# KiCad board DIP8breakout+potToUSB.kicad_pcb (continued)
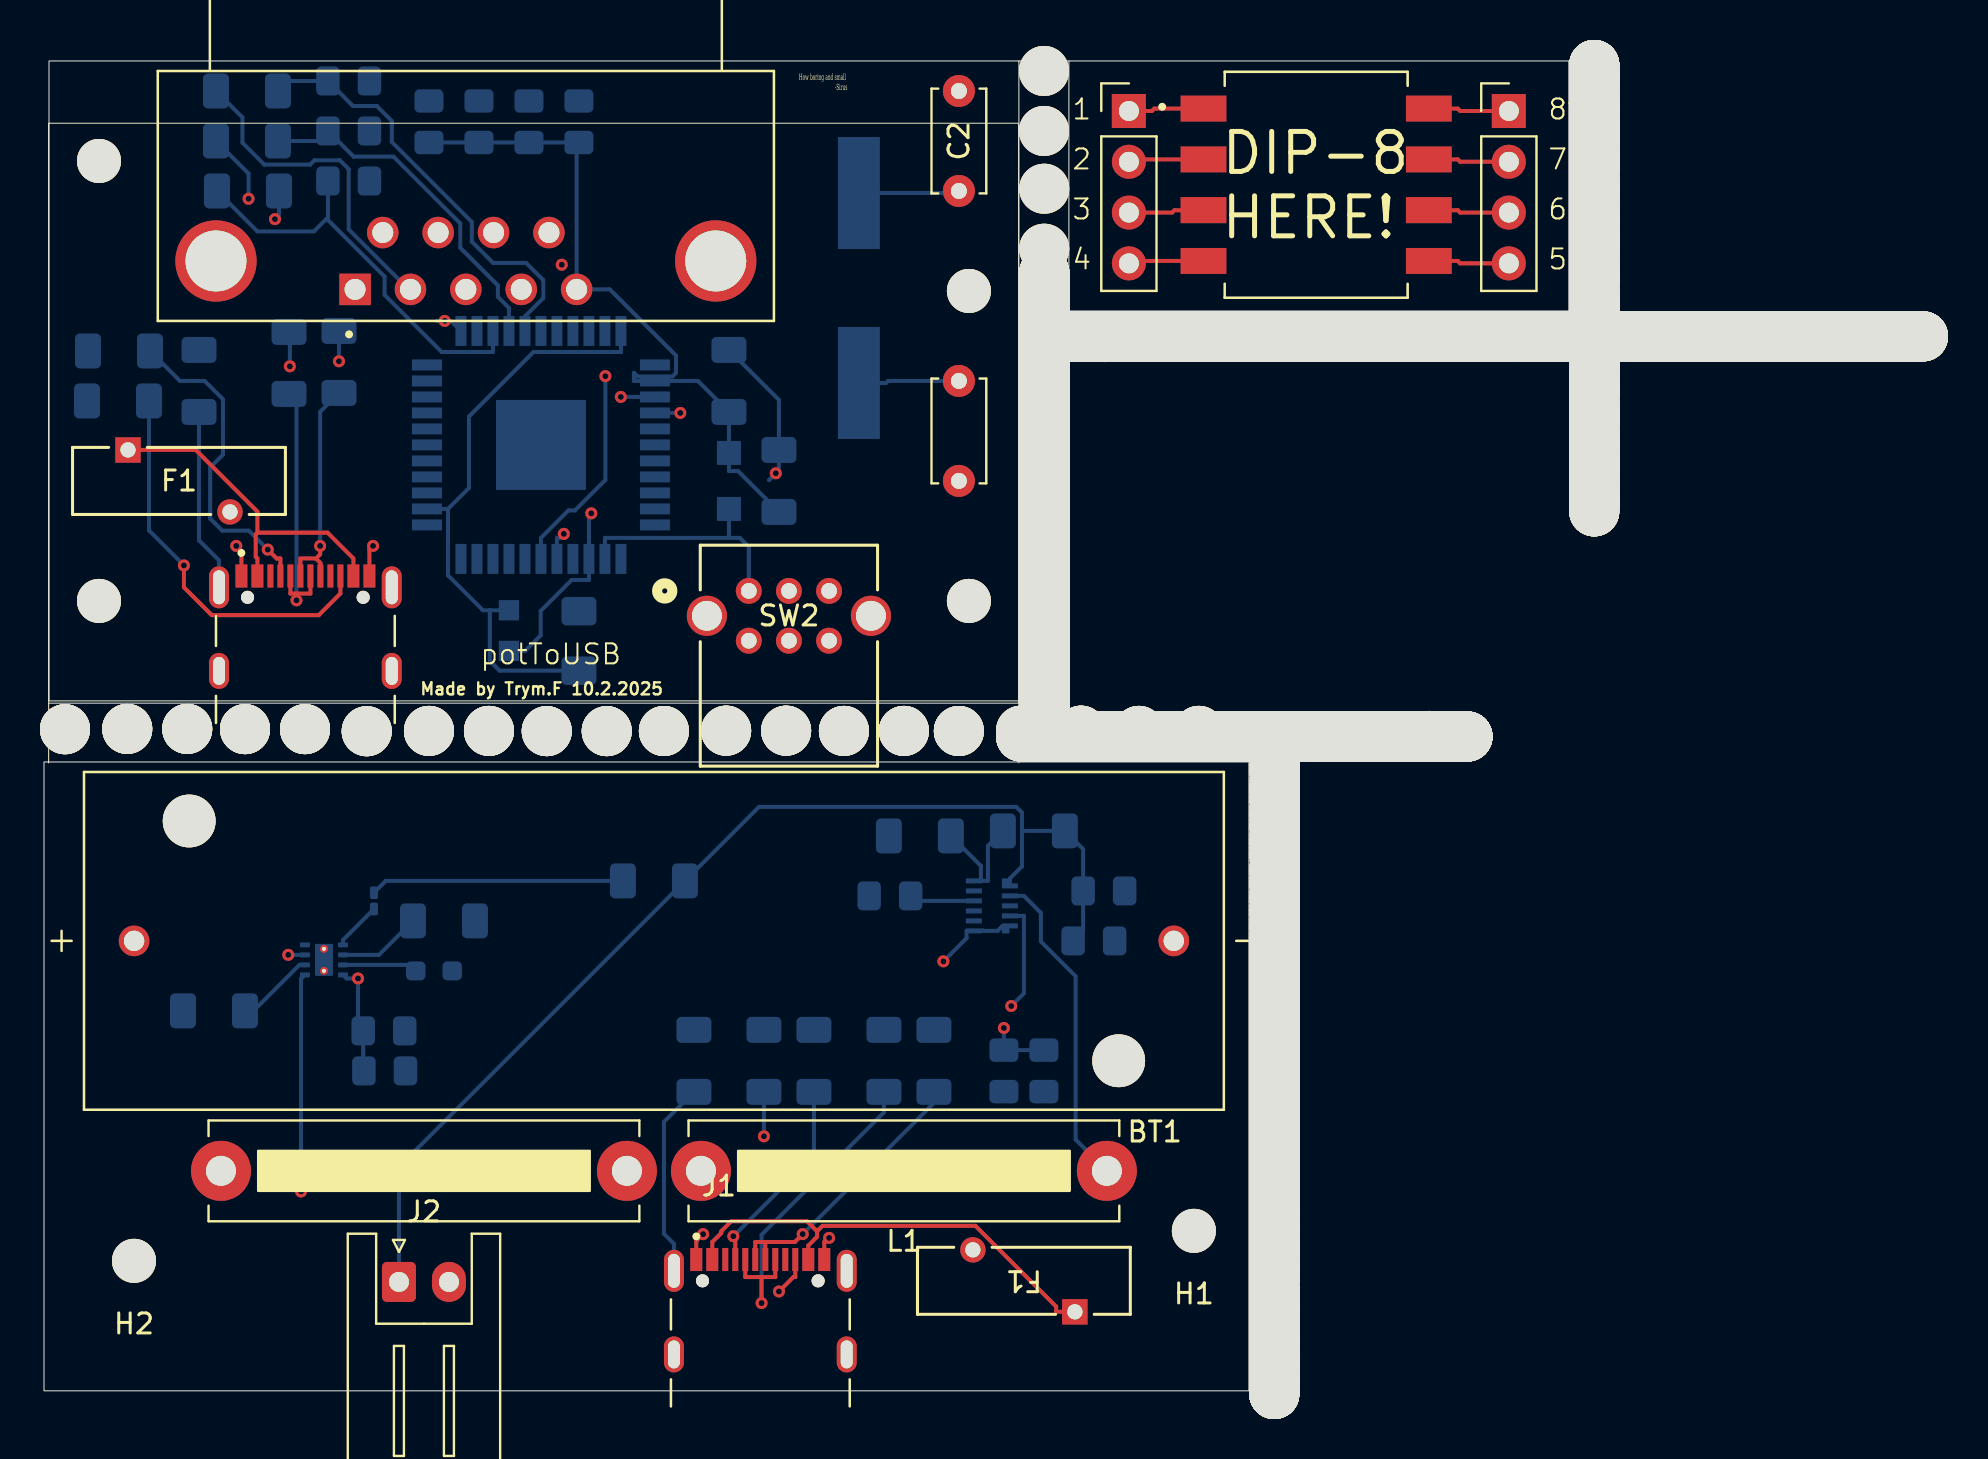
[diagram p0: board, top side]
## Placement (name value [footprint] x y rotation side) (continued)
NOREF#3856  -  [unnamed]  61.52 13.36 270 top
NOREF#3857  -  [unnamed]  77.52 64.24 90 top
NOREF#3858  -  [unnamed]  50.02 45.45 90 top
NOREF#3859  -  [unnamed]  77.52 53.64 90 top
NOREF#3860  -  [unnamed]  70.98 32.72 0 top
NOREF#3861  -  [unnamed]  80.24 52.73 180 top
NOREF#3862  -  [unnamed]  55.48 52.73 180 top
NOREF#3863  -  [unnamed]  70.28 52.73 180 top
NOREF#3864  -  [unnamed]  64.84 52.73 180 top
NOREF#3865  -  [unnamed]  61.55 28.77 90 top
NOREF#3866  -  [unnamed]  50.02 41.03 90 top
NOREF#3867  -  [unnamed]  61.55 17.71 90 top
NOREF#3868  -  [unnamed]  77.52 66.1 90 top
NOREF#3869  -  [unnamed]  61.55 17.25 90 top
NOREF#3870  -  [unnamed]  61.52 18.34 270 top
NOREF#3871  -  [unnamed]  61.55 12.07 90 top
NOREF#3872  -  [unnamed]  61.52 3.46 270 top
NOREF#3873  -  [unnamed]  59.06 32.72 0 top
NOREF#3874  -  [unnamed]  70.52 32.72 0 top
NOREF#3875  -  [unnamed]  70.98 32.72 0 top
NOREF#3876  -  [unnamed]  77.52 56.1 90 top
NOREF#3877  -  [unnamed]  61.55 20.27 90 top
NOREF#3878  -  [unnamed]  61.55 21.07 90 top
NOREF#3879  -  [unnamed]  50.02 47.31 90 top
NOREF#3880  -  [unnamed]  50.02 36.75 90 top
NOREF#3881  -  [unnamed]  61.52 11.5 270 top
NOREF#3882  -  [unnamed]  77.52 53.64 90 top
NOREF#3883  -  [unnamed]  56.14 52.73 180 top
NOREF#3884  -  [unnamed]  77.52 58.4 90 top
NOREF#3885  -  [unnamed]  56.14 52.73 180 top
NOREF#3886  -  [unnamed]  56.96 52.73 180 top
NOREF#3887  -  [unnamed]  61.52 21.3 270 top
NOREF#3888  -  [unnamed]  61.55 17.71 90 top
NOREF#3889  -  [unnamed]  70.28 52.73 180 top
NOREF#3890  -  [unnamed]  77.52 63.34 90 top
NOREF#3891  -  [unnamed]  77.52 55.84 90 top
NOREF#3892  -  [unnamed]  65.34 52.73 180 top
NOREF#3893  -  [unnamed]  63.08 32.72 0 top
NOREF#3894  -  [unnamed]  77.52 53.44 90 top
NOREF#3895  -  [unnamed]  61.52 19 270 top
NOREF#3896  -  [unnamed]  50.02 36.05 90 top
NOREF#3897  -  [unnamed]  68.22 32.72 0 top
NOREF#3898  -  [unnamed]  50.02 41.69 90 top
NOREF#3899  -  [unnamed]  50.02 46.65 90 top
NOREF#3900  -  [unnamed]  60.98 32.72 0 top
NOREF#3901  -  [unnamed]  66.2 52.73 180 top
NOREF#3902  -  [unnamed]  61.52 4.4 270 top
NOREF#3903  -  [unnamed]  50.02 46.45 90 top
NOREF#3904  -  [unnamed]  50.02 55.51 90 top
NOREF#3905  -  [unnamed]  72.84 52.73 180 top
NOREF#3906  -  [unnamed]  68.22 52.73 180 top
NOREF#3907  -  [unnamed]  61.55 23.13 90 top
NOREF#3908  -  [unnamed]  75.46 52.73 180 top
NOREF#3909  -  [unnamed]  81.84 52.73 180 top
NOREF#3910  -  [unnamed]  61.55 11.41 90 top
NOREF#3911  -  [unnamed]  61.52 18.54 270 top
NOREF#3912  -  [unnamed]  61.52 0.24 270 top
NOREF#3913  -  [unnamed]  61.55 26.29 90 top
NOREF#3914  -  [unnamed]  52.52 52.73 180 top
NOREF#3915  -  [unnamed]  61.32 52.73 180 top
NOREF#3916  -  [unnamed]  77.52 54.84 90 top
NOREF#3917  -  [unnamed]  61.52 15.46 270 top
NOREF#3918  -  [unnamed]  77.52 49.82 90 top
NOREF#3919  -  [unnamed]  50.02 40.29 90 top
NOREF#3920  -  [unnamed]  50.02 39.89 90 top
NOREF#3921  -  [unnamed]  77.52 54.64 90 top
NOREF#3922  -  [unnamed]  61.55 11.87 90 top
NOREF#3923  -  [unnamed]  50.02 53.65 90 top
NOREF#3924  -  [unnamed]  61.55 12.37 90 top
NOREF#3925  -  [unnamed]  52.68 32.72 0 top
NOREF#3926  -  [unnamed]  50.02 37.21 90 top
NOREF#3927  -  [unnamed]  50.02 42.65 90 top
NOREF#3928  -  [unnamed]  61.52 21.96 270 top
NOREF#3929  -  [unnamed]  61.52 5.88 270 top
NOREF#3930  -  [unnamed]  61.55 17.71 90 top
NOREF#3931  -  [unnamed]  77.52 65.44 90 top
NOREF#3932  -  [unnamed]  50.02 45.91 90 top
NOREF#3933  -  [unnamed]  77.52 64.04 90 top
NOREF#3934  -  [unnamed]  61.55 10.21 90 top
NOREF#3935  -  [unnamed]  64.64 52.73 180 top
NOREF#3936  -  [unnamed]  50.02 54.31 90 top
NOREF#3937  -  [unnamed]  52.52 52.73 180 top
NOREF#3938  -  [unnamed]  61.52 16.74 270 top
NOREF#3939  -  [unnamed]  61.55 20.87 90 top
NOREF#3940  -  [unnamed]  61.52 13.86 270 top
NOREF#3941  -  [unnamed]  61.52 7.08 270 top
NOREF#3942  -  [unnamed]  77.52 52.38 90 top
NOREF#3943  -  [unnamed]  61.55 31.73 90 top
NOREF#3944  -  [unnamed]  70.28 52.73 180 top
NOREF#3945  -  [unnamed]  61.52 10.7 270 top
NOREF#3946  -  [unnamed]  61.55 29.47 90 top
NOREF#3947  -  [unnamed]  89.94 52.73 180 top
NOREF#3948  -  [unnamed]  85.16 52.73 180 top
NOREF#3949  -  [unnamed]  61.52 9.3 270 top
NOREF#3950  -  [unnamed]  76.46 52.73 180 top
NOREF#3951  -  [unnamed]  50.02 52.09 90 top
NOREF#3952  -  [unnamed]  61.52 10.3 270 top
NOREF#3953  -  [unnamed]  77.52 60.26 90 top
NOREF#3954  -  [unnamed]  72.04 52.73 180 top
NOREF#3955  -  [unnamed]  61.55 10.01 90 top
NOREF#3956  -  [unnamed]  84.16 52.73 180 top
NOREF#3957  -  [unnamed]  77.52 61.74 90 top
NOREF#3958  -  [unnamed]  50.02 33.79 90 top
NOREF#3959  -  [unnamed]  58.56 52.73 180 top
NOREF#3960  -  [unnamed]  77.52 46.44 90 top
NOREF#3961  -  [unnamed]  50.02 45.05 90 top
NOREF#3962  -  [unnamed]  77.52 63.84 90 top
NOREF#3963  -  [unnamed]  50.02 36.35 90 top
NOREF#3964  -  [unnamed]  77.52 51.88 90 top
NOREF#3965  -  [unnamed]  67.4 52.73 180 top
NOREF#3966  -  [unnamed]  53.88 32.72 0 top
NOREF#3967  -  [unnamed]  58.36 52.73 180 top
NOREF#3968  -  [unnamed]  61.52 0.04 270 top
NOREF#3969  -  [unnamed]  61.52 11.96 270 top
NOREF#3970  -  [unnamed]  55.56 32.72 0 top
NOREF#3971  -  [unnamed]  77.52 62.14 90 top
NOREF#3972  -  [unnamed]  52.92 52.73 180 top
NOREF#3973  -  [unnamed]  91.9 52.73 180 top
NOREF#3974  -  [unnamed]  63.74 32.72 0 top
NOREF#3975  -  [unnamed]  75.26 52.73 180 top
NOREF#3976  -  [unnamed]  77.52 62.14 90 top
NOREF#3977  -  [unnamed]  50.02 42.19 90 top
NOREF#3978  -  [unnamed]  61.55 11.01 90 top
NOREF#3979  -  [unnamed]  50.02 34.65 90 top
NOREF#3980  -  [unnamed]  61.52 18.34 270 top
NOREF#3981  -  [unnamed]  61.52 7.54 270 top
NOREF#3982  -  [unnamed]  79.54 52.73 180 top
NOREF#3983  -  [unnamed]  49.72 32.72 0 top
NOREF#3984  -  [unnamed]  61.55 24.23 90 top
NOREF#3985  -  [unnamed]  77.52 56.1 90 top
NOREF#3986  -  [unnamed]  72.04 52.73 180 top
NOREF#3987  -  [unnamed]  61.52 2.8 270 top
NOREF#3988  -  [unnamed]  61.55 20.47 90 top
NOREF#3989  -  [unnamed]  65.34 32.72 0 top
NOREF#3990  -  [unnamed]  61.55 18.41 90 top
NOREF#3991  -  [unnamed]  50.02 43.99 90 top
NOREF#3992  -  [unnamed]  61.52 8.14 270 top
NOREF#3993  -  [unnamed]  61.55 19.61 90 top
NOREF#3994  -  [unnamed]  85.36 52.73 180 top
NOREF#3995  -  [unnamed]  77.52 50.28 90 top
NOREF#3996  -  [unnamed]  69.08 52.73 180 top
NOREF#3997  -  [unnamed]  61.55 16.85 90 top
NOREF#3998  -  [unnamed]  77.52 52.78 90 top
NOREF#3999  -  [unnamed]  61.52 17.34 270 top
NOREF#4000  -  [unnamed]  58.32 32.72 0 top
NOREF#4001  -  [unnamed]  77.52 52.08 90 top
NOREF#4002  -  [unnamed]  61.55 27.37 90 top
NOREF#4003  -  [unnamed]  91.7 52.73 180 top
NOREF#4004  -  [unnamed]  61.55 26.91 90 top
NOREF#4005  -  [unnamed]  77.52 56.3 90 top
NOREF#4006  -  [unnamed]  73.7 52.73 180 top
NOREF#4007  -  [unnamed]  61.52 2.8 270 top
NOREF#4008  -  [unnamed]  61.55 17.51 90 top
NOREF#4009  -  [unnamed]  55.1 32.72 0 top
NOREF#4010  -  [unnamed]  61.52 2.8 270 top
NOREF#4011  -  [unnamed]  61.52 16.12 270 top
NOREF#4012  -  [unnamed]  50.02 35.59 90 top
NOREF#4013  -  [unnamed]  61.55 26.09 90 top
NOREF#4014  -  [unnamed]  48.86 32.72 0 top
NOREF#4015  -  [unnamed]  56.76 52.73 180 top
NOREF#4016  -  [unnamed]  75.26 52.73 180 top
NOREF#4017  -  [unnamed]  61.55 27.57 90 top
NOREF#4018  -  [unnamed]  61.52 8.44 270 top
NOREF#4019  -  [unnamed]  69.82 52.73 180 top
NOREF#4020  -  [unnamed]  61.52 13.1 270 top
NOREF#4021  -  [unnamed]  50.02 35.39 90 top
NOREF#4022  -  [unnamed]  61.55 25.43 90 top
NOREF#4023  -  [unnamed]  77.52 60.66 90 top
NOREF#4024  -  [unnamed]  73.04 52.73 180 top
NOREF#4025  -  [unnamed]  89.6 52.73 180 top
NOREF#4026  -  [unnamed]  50.02 48.67 90 top
NOREF#4027  -  [unnamed]  53.38 52.73 180 top
NOREF#4028  -  [unnamed]  91.96 52.73 180 top
NOREF#4029  -  [unnamed]  50.02 49.87 90 top
NOREF#4030  -  [unnamed]  61.55 10.67 90 top
NOREF#4031  -  [unnamed]  50.02 41.99 90 top
NOREF#4032  -  [unnamed]  52.72 52.73 180 top
NOREF#4033  -  [unnamed]  61.55 10.01 90 top
NOREF#4034  -  [unnamed]  70.98 52.73 180 top
NOREF#4035  -  [unnamed]  88.12 52.73 180 top
NOREF#4036  -  [unnamed]  50.02 35.19 90 top
NOREF#4037  -  [unnamed]  77.52 49 90 top
NOREF#4038  -  [unnamed]  50.02 55.05 90 top
NOREF#4039  -  [unnamed]  77.52 52.28 90 top
NOREF#4040  -  [unnamed]  53.88 52.73 180 top
NOREF#4041  -  [unnamed]  61.52 17.14 270 top
NOREF#4042  -  [unnamed]  77.52 61.28 90 top
NOREF#4043  -  [unnamed]  61.52 17.8 270 top
NOREF#4044  -  [unnamed]  77.52 61.28 90 top
NOREF#4045  -  [unnamed]  53.58 52.73 180 top
NOREF#4046  -  [unnamed]  77.52 55.04 90 top
NOREF#4047  -  [unnamed]  61.52 15.12 270 top
NOREF#4048  -  [unnamed]  50.02 53.45 90 top
NOREF#4049  -  [unnamed]  50.02 44.45 90 top
NOREF#4050  -  [unnamed]  50.02 47.11 90 top
NOREF#4051  -  [unnamed]  61.72 32.72 0 top
NOREF#4052  -  [unnamed]  77.52 54.84 90 top
NOREF#4053  -  [unnamed]  63.24 52.73 180 top
NOREF#4054  -  [unnamed]  50.02 44.45 90 top
NOREF#4055  -  [unnamed]  61.55 30.33 90 top
NOREF#4056  -  [unnamed]  50.02 35.39 90 top
NOREF#4057  -  [unnamed]  77.52 45.98 90 top
NOREF#4058  -  [unnamed]  77.52 44.18 90 top
NOREF#4059  -  [unnamed]  77.52 51.88 90 top
NOREF#4060  -  [unnamed]  61.52 21.3 270 top
NOREF#4061  -  [unnamed]  73.04 52.73 180 top
NOREF#4062  -  [unnamed]  61.52 7.28 270 top
NOREF#4063  -  [unnamed]  77.52 53.78 90 top
NOREF#4064  -  [unnamed]  87.46 52.73 180 top
NOREF#4065  -  [unnamed]  50.02 53.15 90 top
NOREF#4066  -  [unnamed]  56.76 52.73 180 top
NOREF#4067  -  [unnamed]  62.12 32.72 0 top
NOREF#4068  -  [unnamed]  50.02 40.29 90 top
NOREF#4069  -  [unnamed]  61.52 12.5 270 top
NOREF#4070  -  [unnamed]  50.02 47.31 90 top
NOREF#4071  -  [unnamed]  61.52 9.1 270 top
NOREF#4072  -  [unnamed]  50.02 55.51 90 top
NOREF#4073  -  [unnamed]  61.52 13.1 270 top
NOREF#4074  -  [unnamed]  74.6 52.73 180 top
NOREF#4075  -  [unnamed]  50.02 35.19 90 top
NOREF#4076  -  [unnamed]  87.46 52.73 180 top
NOREF#4077  -  [unnamed]  61.52 14.52 270 top
NOREF#4078  -  [unnamed]  61.52 6.34 270 top
NOREF#4079  -  [unnamed]  74.6 52.73 180 top
NOREF#4080  -  [unnamed]  77.52 62.14 90 top
NOREF#4081  -  [unnamed]  50.02 36.25 90 top
NOREF#4082  -  [unnamed]  62.38 52.73 180 top
NOREF#4083  -  [unnamed]  63.24 52.73 180 top
NOREF#4084  -  [unnamed]  77.48 52.73 180 top
NOREF#4085  -  [unnamed]  50.02 34.45 90 top
NOREF#4086  -  [unnamed]  50.02 48.87 90 top
NOREF#4087  -  [unnamed]  67.4 52.73 180 top
NOREF#4088  -  [unnamed]  61.52 18.14 270 top
NOREF#4089  -  [unnamed]  61.52 21.3 270 top
NOREF#4090  -  [unnamed]  61.55 24.89 90 top
NOREF#4091  -  [unnamed]  78.68 52.73 180 top
NOREF#4092  -  [unnamed]  74.1 52.73 180 top
NOREF#4093  -  [unnamed]  61.52 5.68 270 top
NOREF#4094  -  [unnamed]  77.52 56.3 90 top
NOREF#4095  -  [unnamed]  61.55 25.89 90 top
NOREF#4096  -  [unnamed]  50.02 55.05 90 top
NOREF#4097  -  [unnamed]  61.55 26.91 90 top
NOREF#4098  -  [unnamed]  50.02 36.55 90 top
NOREF#4099  -  [unnamed]  61.52 17.14 270 top
NOREF#4100  -  [unnamed]  83.1 52.73 180 top
NOREF#4101  -  [unnamed]  62.78 52.73 180 top
NOREF#4102  -  [unnamed]  73.9 52.73 180 top
NOREF#4103  -  [unnamed]  50.02 37.41 90 top
NOREF#4104  -  [unnamed]  64.84 52.73 180 top
NOREF#4105  -  [unnamed]  77.52 63.14 90 top
NOREF#4106  -  [unnamed]  69.62 52.73 180 top
NOREF#4107  -  [unnamed]  61.55 20.47 90 top
NOREF#4108  -  [unnamed]  72.58 52.73 180 top
NOREF#4109  -  [unnamed]  58.32 32.72 0 top
NOREF#4110  -  [unnamed]  51.32 52.73 180 top
NOREF#4111  -  [unnamed]  58.12 32.72 0 top
NOREF#4112  -  [unnamed]  49.92 32.72 0 top
NOREF#4113  -  [unnamed]  56.1 32.72 0 top
NOREF#4114  -  [unnamed]  57.86 32.72 0 top
NOREF#4115  -  [unnamed]  61.55 25.23 90 top
NOREF#4116  -  [unnamed]  61.55 23.83 90 top
NOREF#4117  -  [unnamed]  50.66 32.72 0 top
NOREF#4118  -  [unnamed]  73.7 52.73 180 top
NOREF#4119  -  [unnamed]  50.12 32.72 0 top
NOREF#4120  -  [unnamed]  50.02 39.43 90 top
NOREF#4121  -  [unnamed]  61.55 15.65 90 top
NOREF#4122  -  [unnamed]  91.7 52.73 180 top
NOREF#4123  -  [unnamed]  77.52 56.3 90 top
NOREF#4124  -  [unnamed]  61.55 16.51 90 top
NOREF#4125  -  [unnamed]  50.02 52.75 90 top
NOREF#4126  -  [unnamed]  92.9 52.73 180 top
NOREF#4127  -  [unnamed]  61.55 28.57 90 top
NOREF#4128  -  [unnamed]  61.52 1.24 270 top
NOREF#4129  -  [unnamed]  77.52 57.04 90 top
NOREF#4130  -  [unnamed]  68.42 32.72 0 top
NOREF#4131  -  [unnamed]  61.55 31.73 90 top
NOREF#4132  -  [unnamed]  61.55 14.83 90 top
NOREF#4133  -  [unnamed]  50.02 36.75 90 top
NOREF#4134  -  [unnamed]  86.72 52.73 180 top
NOREF#4135  -  [unnamed]  77.52 55.64 90 top
NOREF#4136  -  [unnamed]  53.42 32.72 0 top
NOREF#4137  -  [unnamed]  61.52 21.76 270 top
NOREF#4138  -  [unnamed]  80.44 52.73 180 top
NOREF#4139  -  [unnamed]  50.02 46.85 90 top
NOREF#4140  -  [unnamed]  61.52 9.84 270 top
NOREF#4141  -  [unnamed]  91.5 52.73 180 top
NOREF#4142  -  [unnamed]  50.02 37.95 90 top
NOREF#4143  -  [unnamed]  77.52 55.44 90 top
NOREF#4144  -  [unnamed]  91 52.73 180 top
NOREF#4145  -  [unnamed]  61.52 3 270 top
NOREF#4146  -  [unnamed]  66.62 32.72 0 top
NOREF#4147  -  [unnamed]  61.55 27.37 90 top
NOREF#4148  -  [unnamed]  77.52 45.78 90 top
NOREF#4149  -  [unnamed]  60.72 32.72 0 top
NOREF#4150  -  [unnamed]  77.52 46.94 90 top
NOREF#4151  -  [unnamed]  50.02 36.55 90 top
NOREF#4152  -  [unnamed]  50.02 51.35 90 top
NOREF#4153  -  [unnamed]  77.52 64.24 90 top
NOREF#4154  -  [unnamed]  77.68 52.73 180 top
NOREF#4155  -  [unnamed]  63.24 52.73 180 top
NOREF#4156  -  [unnamed]  61.55 22.47 90 top
NOREF#4157  -  [unnamed]  56.1 32.72 0 top
NOREF#4158  -  [unnamed]  61.55 17.25 90 top
NOREF#4159  -  [unnamed]  61.55 30.13 90 top
NOREF#4160  -  [unnamed]  77.52 52.08 90 top
NOREF#4161  -  [unnamed]  74.6 52.73 180 top
NOREF#4162  -  [unnamed]  91.5 52.73 180 top
NOREF#4163  -  [unnamed]  61.55 19.61 90 top
NOREF#4164  -  [unnamed]  61.55 27.57 90 top
NOREF#4165  -  [unnamed]  61.55 15.85 90 top
NOREF#4166  -  [unnamed]  61.55 12.77 90 top
NOREF#4167  -  [unnamed]  54.7 32.72 0 top
NOREF#4168  -  [unnamed]  69.62 52.73 180 top
NOREF#4169  -  [unnamed]  50.02 50.07 90 top
NOREF#4170  -  [unnamed]  61.52 21.56 270 top
NOREF#4171  -  [unnamed]  88.12 52.73 180 top
NOREF#4172  -  [unnamed]  52.48 32.72 0 top
NOREF#4173  -  [unnamed]  61.52 21.5 270 top
NOREF#4174  -  [unnamed]  90.34 52.73 180 top
NOREF#4175  -  [unnamed]  77.52 64.24 90 top
NOREF#4176  -  [unnamed]  58.32 32.72 0 top
NOREF#4177  -  [unnamed]  67.76 32.72 0 top
NOREF#4178  -  [unnamed]  77.52 65.7 90 top
NOREF#4179  -  [unnamed]  77.52 50.68 90 top
NOREF#4180  -  [unnamed]  69.08 52.73 180 top
NOREF#4181  -  [unnamed]  73.04 52.73 180 top
NOREF#4182  -  [unnamed]  61.55 29.67 90 top
NOREF#4183  -  [unnamed]  50.02 45.71 90 top
NOREF#4184  -  [unnamed]  77.94 52.73 180 top
NOREF#4185  -  [unnamed]  61.55 26.91 90 top
NOREF#4186  -  [unnamed]  77.52 57.5 90 top
NOREF#4187  -  [unnamed]  61.55 11.21 90 top
NOREF#4188  -  [unnamed]  87.26 52.73 180 top
NOREF#4189  -  [unnamed]  77.52 60 90 top
NOREF#4190  -  [unnamed]  61.52 3.2 270 top
NOREF#4191  -  [unnamed]  61.52 12.9 270 top
NOREF#4192  -  [unnamed]  69.38 32.72 0 top
NOREF#4193  -  [unnamed]  61.55 18.21 90 top
NOREF#4194  -  [unnamed]  77.52 44.84 90 top
NOREF#4195  -  [unnamed]  81.64 52.73 180 top
NOREF#4196  -  [unnamed]  77.52 50.48 90 top
NOREF#4197  -  [unnamed]  77.52 60.26 90 top
NOREF#4198  -  [unnamed]  61.52 17.8 270 top
NOREF#4199  -  [unnamed]  56.96 32.72 0 top
NOREF#4200  -  [unnamed]  50.02 37.21 90 top
NOREF#4201  -  [unnamed]  67.36 32.72 0 top
NOREF#4202  -  [unnamed]  69.38 32.72 0 top
NOREF#4203  -  [unnamed]  77.52 64.3 90 top
NOREF#4204  -  [unnamed]  61.52 3 270 top
NOREF#4205  -  [unnamed]  77.52 56.5 90 top
NOREF#4206  -  [unnamed]  61.55 10.21 90 top
NOREF#4207  -  [unnamed]  50.02 37.41 90 top
NOREF#4208  -  [unnamed]  61.52 14.92 270 top
NOREF#4209  -  [unnamed]  50.02 50.89 90 top
NOREF#4210  -  [unnamed]  61.55 14.83 90 top
NOREF#4211  -  [unnamed]  64.14 32.72 0 top
NOREF#4212  -  [unnamed]  50.02 44.45 90 top
NOREF#4213  -  [unnamed]  61.55 12.27 90 top
NOREF#4214  -  [unnamed]  61.52 15.46 270 top
NOREF#4215  -  [unnamed]  61.55 21.73 90 top
NOREF#4216  -  [unnamed]  61.52 2.5 270 top
NOREF#4217  -  [unnamed]  53.22 32.72 0 top
NOREF#4218  -  [unnamed]  58.56 52.73 180 top
NOREF#4219  -  [unnamed]  61.18 32.72 0 top
NOREF#4220  -  [unnamed]  61.55 21.07 90 top
NOREF#4221  -  [unnamed]  49.72 32.72 0 top
NOREF#4222  -  [unnamed]  61.55 31.93 90 top
NOREF#4223  -  [unnamed]  61.52 1.64 270 top
NOREF#4224  -  [unnamed]  56.34 52.73 180 top
NOREF#4225  -  [unnamed]  90.14 52.73 180 top
NOREF#4226  -  [unnamed]  64.14 32.72 0 top
NOREF#4227  -  [unnamed]  77.52 60.26 90 top
NOREF#4228  -  [unnamed]  77.52 60.46 90 top
NOREF#4229  -  [unnamed]  70.32 32.72 0 top
NOREF#4230  -  [unnamed]  64.68 32.72 0 top
NOREF#4231  -  [unnamed]  61.52 21.3 270 top
NOREF#4232  -  [unnamed]  50.02 54.85 90 top
NOREF#4233  -  [unnamed]  74.1 52.73 180 top
NOREF#4234  -  [unnamed]  61.52 3.66 270 top
NOREF#4235  -  [unnamed]  77.52 55.04 90 top
NOREF#4236  -  [unnamed]  61.55 24.89 90 top
NOREF#4237  -  [unnamed]  82.3 52.73 180 top
NOREF#4238  -  [unnamed]  77.52 57.24 90 top
NOREF#4239  -  [unnamed]  68.72 32.72 0 top
NOREF#4240  -  [unnamed]  50.02 40.83 90 top
NOREF#4241  -  [unnamed]  77.52 59.26 90 top
NOREF#4242  -  [unnamed]  61.52 16.94 270 top
NOREF#4243  -  [unnamed]  50.02 52.95 90 top
NOREF#4244  -  [unnamed]  61.52 21.1 270 top
NOREF#4245  -  [unnamed]  61.52 6.34 270 top
NOREF#4246  -  [unnamed]  61.52 1.9 270 top
NOREF#4247  -  [unnamed]  50.02 48.01 90 top
NOREF#4248  -  [unnamed]  80.24 52.73 180 top
NOREF#4249  -  [unnamed]  77.52 65.9 90 top
NOREF#4250  -  [unnamed]  77.52 64.9 90 top
NOREF#4251  -  [unnamed]  61.55 16.31 90 top
NOREF#4252  -  [unnamed]  50.02 54.31 90 top
NOREF#4253  -  [unnamed]  50.02 52.75 90 top
NOREF#4254  -  [unnamed]  61.52 14.72 270 top
NOREF#4255  -  [unnamed]  59.72 52.73 180 top
NOREF#4256  -  [unnamed]  92.36 52.73 180 top
NOREF#4257  -  [unnamed]  61.55 13.43 90 top
NOREF#4258  -  [unnamed]  59.92 52.73 180 top
NOREF#4259  -  [unnamed]  60.98 32.72 0 top
NOREF#4260  -  [unnamed]  50.02 38.41 90 top
NOREF#4261  -  [unnamed]  77.52 56.3 90 top
NOREF#4262  -  [unnamed]  54.94 52.73 180 top
NOREF#4263  -  [unnamed]  88.94 52.73 180 top
NOREF#4264  -  [unnamed]  69.38 32.72 0 top
NOREF#4265  -  [unnamed]  86.52 52.73 180 top
NOREF#4266  -  [unnamed]  50.46 32.72 0 top
NOREF#4267  -  [unnamed]  61.55 15.85 90 top
NOREF#4268  -  [unnamed]  50.02 55.71 90 top
NOREF#4269  -  [unnamed]  91.7 52.73 180 top
NOREF#4270  -  [unnamed]  77.52 51.62 90 top
NOREF#4271  -  [unnamed]  50.02 33.99 90 top
NOREF#4272  -  [unnamed]  50.02 43.79 90 top
NOREF#4273  -  [unnamed]  86.06 52.73 180 top
NOREF#4274  -  [unnamed]  82.5 52.73 180 top
NOREF#4275  -  [unnamed]  61.52 20.1 270 top
NOREF#4276  -  [unnamed]  68.22 52.73 180 top
NOREF#4277  -  [unnamed]  81.84 52.73 180 top
NOREF#4278  -  [unnamed]  73.04 52.73 180 top
NOREF#4279  -  [unnamed]  77.52 51.02 90 top
NOREF#4280  -  [unnamed]  61.52 0.04 270 top
NOREF#4281  -  [unnamed]  54.28 32.72 0 top
NOREF#4282  -  [unnamed]  50.02 42.19 90 top
NOREF#4283  -  [unnamed]  87.06 52.73 180 top
NOREF#4284  -  [unnamed]  65.34 52.73 180 top
NOREF#4285  -  [unnamed]  79.08 52.73 180 top
NOREF#4286  -  [unnamed]  77.52 55.84 90 top
NOREF#4287  -  [unnamed]  50.46 32.72 0 top
NOREF#4288  -  [unnamed]  61.52 12.7 270 top
NOREF#4289  -  [unnamed]  53.22 32.72 0 top
NOREF#4290  -  [unnamed]  79.34 52.73 180 top
NOREF#4291  -  [unnamed]  85.36 52.73 180 top
NOREF#4292  -  [unnamed]  71.64 52.73 180 top
NOREF#4293  -  [unnamed]  92.36 52.73 180 top
NOREF#4294  -  [unnamed]  61.55 18.21 90 top
NOREF#4295  -  [unnamed]  50.02 33.79 90 top
NOREF#4296  -  [unnamed]  61.52 8.9 270 top
NOREF#4297  -  [unnamed]  63.24 52.73 180 top
NOREF#4298  -  [unnamed]  50.02 45.71 90 top
NOREF#4299  -  [unnamed]  79.54 52.73 180 top
NOREF#4300  -  [unnamed]  61.52 18.8 270 top
NOREF#4301  -  [unnamed]  61.55 29.47 90 top
NOREF#4302  -  [unnamed]  61.55 28.31 90 top
NOREF#4303  -  [unnamed]  57.66 32.72 0 top
NOREF#4304  -  [unnamed]  61.52 3.66 270 top
NOREF#4305  -  [unnamed]  50.02 35.85 90 top
NOREF#4306  -  [unnamed]  76 52.73 180 top
NOREF#4307  -  [unnamed]  70.68 52.73 180 top
NOREF#4308  -  [unnamed]  56.3 32.72 0 top
NOREF#4309  -  [unnamed]  61.55 26.09 90 top
NOREF#4310  -  [unnamed]  77.52 60.46 90 top
NOREF#4311  -  [unnamed]  51.12 32.72 0 top
NOREF#4312  -  [unnamed]  91.2 52.73 180 top
NOREF#4313  -  [unnamed]  50.02 46.11 90 top
NOREF#4314  -  [unnamed]  50.02 38.15 90 top
NOREF#4315  -  [unnamed]  92.16 52.73 180 top
NOREF#4316  -  [unnamed]  62.78 32.72 0 top
NOREF#4317  -  [unnamed]  61.52 4.86 270 top
NOREF#4318  -  [unnamed]  92.9 52.73 180 top
NOREF#4319  -  [unnamed]  77.06 52.73 180 top
NOREF#4320  -  [unnamed]  77.52 59.8 90 top
NOREF#4321  -  [unnamed]  71.64 52.73 180 top
NOREF#4322  -  [unnamed]  69.58 32.72 0 top
NOREF#4323  -  [unnamed]  61.55 28.11 90 top
NOREF#4324  -  [unnamed]  77.52 62.68 90 top
NOREF#4325  -  [unnamed]  61.55 14.37 90 top
NOREF#4326  -  [unnamed]  61.52 19.7 270 top
NOREF#4327  -  [unnamed]  63.74 32.72 0 top
NOREF#4328  -  [unnamed]  56.76 32.72 0 top
NOREF#4329  -  [unnamed]  65.8 52.73 180 top
NOREF#4330  -  [unnamed]  50.02 39.63 90 top
NOREF#4331  -  [unnamed]  61.52 12.16 270 top
NOREF#4332  -  [unnamed]  93.1 52.73 180 top
NOREF#4333  -  [unnamed]  61.92 32.72 0 top
NOREF#4334  -  [unnamed]  61.52 17.6 270 top
NOREF#4335  -  [unnamed]  50.02 47.11 90 top
NOREF#4336  -  [unnamed]  50.02 55.51 90 top
NOREF#4337  -  [unnamed]  77.52 49.2 90 top
NOREF#4338  -  [unnamed]  77.52 52.98 90 top
NOREF#4339  -  [unnamed]  77.52 58.4 90 top
NOREF#4340  -  [unnamed]  61.55 21.07 90 top
NOREF#4341  -  [unnamed]  87.92 52.73 180 top
NOREF#4342  -  [unnamed]  57.46 32.72 0 top
NOREF#4343  -  [unnamed]  61.52 8.44 270 top
NOREF#4344  -  [unnamed]  79.08 52.73 180 top
NOREF#4345  -  [unnamed]  65.14 52.73 180 top
NOREF#4346  -  [unnamed]  60.38 52.73 180 top
NOREF#4347  -  [unnamed]  61.38 32.72 0 top
NOREF#4348  -  [unnamed]  56.3 32.72 0 top
NOREF#4349  -  [unnamed]  72.38 52.73 180 top
NOREF#4350  -  [unnamed]  77.52 54.18 90 top
NOREF#4351  -  [unnamed]  50.02 48.27 90 top
NOREF#4352  -  [unnamed]  59.06 32.72 0 top
NOREF#4353  -  [unnamed]  61.55 12.77 90 top
NOREF#4354  -  [unnamed]  50.02 41.23 90 top
NOREF#4355  -  [unnamed]  77.52 61.94 90 top
NOREF#4356  -  [unnamed]  61.55 24.69 90 top
NOREF#4357  -  [unnamed]  77.52 47.14 90 top
NOREF#4358  -  [unnamed]  77.52 57.7 90 top
NOREF#4359  -  [unnamed]  61.55 28.77 90 top
NOREF#4360  -  [unnamed]  61.52 52.73 180 top
NOREF#4361  -  [unnamed]  61.52 2.8 270 top
NOREF#4362  -  [unnamed]  50.02 49.21 90 top
NOREF#4363  -  [unnamed]  50.02 41.49 90 top
NOREF#4364  -  [unnamed]  77.52 64.7 90 top
NOREF#4365  -  [unnamed]  77.52 45.78 90 top
NOREF#4366  -  [unnamed]  61.52 1.64 270 top
NOREF#4367  -  [unnamed]  77.52 53.64 90 top
NOREF#4368  -  [unnamed]  56.96 32.72 0 top
NOREF#4369  -  [unnamed]  50.02 45.91 90 top
NOREF#4370  -  [unnamed]  61.55 17.25 90 top
NOREF#4371  -  [unnamed]  59.22 52.73 180 top
NOREF#4372  -  [unnamed]  61.52 9.1 270 top
NOREF#4373  -  [unnamed]  61.55 16.31 90 top
NOREF#4374  -  [unnamed]  62.12 32.72 0 top
NOREF#4375  -  [unnamed]  77.52 53.98 90 top
NOREF#4376  -  [unnamed]  53.58 52.73 180 top
NOREF#4377  -  [unnamed]  56.3 32.72 0 top
NOREF#4378  -  [unnamed]  60.52 32.72 0 top
NOREF#4379  -  [unnamed]  61.55 13.23 90 top
NOREF#4380  -  [unnamed]  74.6 52.73 180 top
NOREF#4381  -  [unnamed]  63.94 32.72 0 top
NOREF#4382  -  [unnamed]  61.52 11.1 270 top
NOREF#4383  -  [unnamed]  52.22 32.72 0 top
NOREF#4384  -  [unnamed]  77.52 60.46 90 top
NOREF#4385  -  [unnamed]  63.04 52.73 180 top
NOREF#4386  -  [unnamed]  77.52 65.9 90 top
NOREF#4387  -  [unnamed]  50.02 45.25 90 top
NOREF#4388  -  [unnamed]  61.55 27.37 90 top
NOREF#4389  -  [unnamed]  70.28 52.73 180 top
NOREF#4390  -  [unnamed]  61.55 28.97 90 top
NOREF#4391  -  [unnamed]  72.9 52.73 180 top
NOREF#4392  -  [unnamed]  57.62 52.73 180 top
NOREF#4393  -  [unnamed]  50.02 49.21 90 top
NOREF#4394  -  [unnamed]  64.84 52.73 180 top
NOREF#4395  -  [unnamed]  72.7 52.73 180 top
NOREF#4396  -  [unnamed]  50.02 49.01 90 top
NOREF#4397  -  [unnamed]  77.52 57.7 90 top
NOREF#4398  -  [unnamed]  78.34 52.73 180 top
NOREF#4399  -  [unnamed]  53.62 32.72 0 top
NOREF#4400  -  [unnamed]  61.52 6.88 270 top
NOREF#4401  -  [unnamed]  61.52 9.64 270 top
NOREF#4402  -  [unnamed]  71.64 52.73 180 top
NOREF#4403  -  [unnamed]  61.52 0.24 270 top
NOREF#4404  -  [unnamed]  81.64 52.73 180 top
NOREF#4405  -  [unnamed]  88.94 52.73 180 top
NOREF#4406  -  [unnamed]  77.52 48.8 90 top
NOREF#4407  -  [unnamed]  60.58 52.73 180 top
NOREF#4408  -  [unnamed]  61.52 8.44 270 top